# Altium PCB MyPCB.PcbDoc (part 2 of 2)
Units mil, origin at the board's own origin, x right, y up, seen from the top; angles counter-clockwise.
Board outline 3779.53 x 1968.5 mil, 2 copper layers (Top Layer, Bottom Layer); 73 components, 82 nets, 385 pads, 196 vias.
Unrouted connection lines stored in the file: 65.
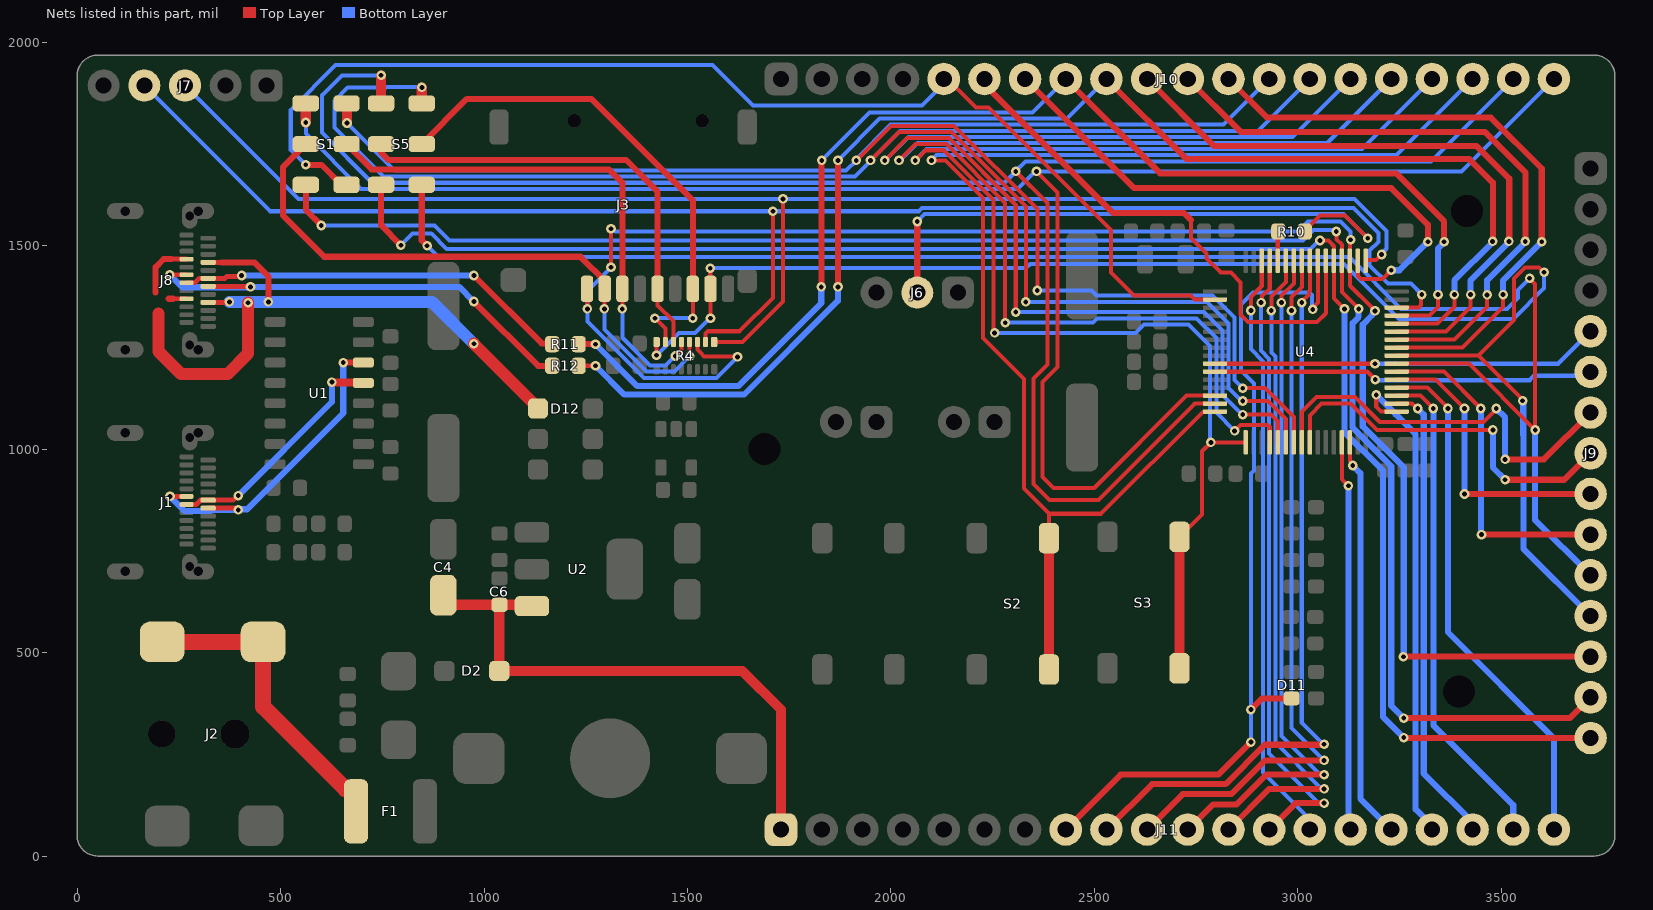
[diagram p2: the nets of this part, all layers, seen from the top]

## Via types
v1: diameter 23.62, hole 11.81, Top Layer to Bottom Layer, tented both sides, 196 vias

## Nets (pads, with @x,y where several pads share a name; then routed paths per layer and width w, separated by ;. In a path a pad name is that pad's centre, name@x,y a point inside that pad or via, vN(x,y) a via of type N, cw(c..) or ccw(c..) an arc to the next point about the centre after c; other vN are vias at no path point) (continued)
NetD11_C: D11.C J11.8 U4.55 | length 2098.1
  Top Layer w10: v1(3036.88,1343.72) 3036.88,1347.07 3050.03,1360.22 3050.03,1414.97 3049.53,1415.47 U4.55@3049.53,1463.23
  Top Layer w15: J11.8@2430,65 2565,200 2805,200 v1(2885,280) ; v1(2885,360) 2912.5,387.5 D11.C@2985,387.5
  Bottom Layer w10: v1(2885,280) v1(2885,360) 2885,939.83 2892.31,947.15 2892.31,1161.31 2860.19,1193.43 2860.19,1355.19 2890.19,1385.19 3028.95,1385.19 3034.81,1379.33 3034.81,1345.79 v1(3036.88,1343.72)
NetD12_A: D12.A J8.A4 J8.A9 J8.B4 J8.B9 | length 1820.4
  Top Layer w12: 232.17,1467.17 J8.B9@268.72,1467.17 ; 235.28,1369.72 J8.B4@268.72,1369.72 ; J8.A9@321.87,1360.87 v1@374.19,1360.87 ; J8.A4@321.87,1459.29 354.29,1459.29
  Top Layer w15: 192.52,1384.91 192.52,1447.52 212.17,1467.17 232.17,1467.17 ; 225,1369.72 235.28,1369.72 ; 354.29,1459.29 435.71,1459.29 470,1425 v1(470,1362) v1@470,1360
  Top Layer w30: 200,1333.85 200,1240 255,1185 370,1185 420,1235 v1(420,1360) ; v1(975,1259) 1122.5,1111.5 1122.5,1110 1131,1101.5 D12.A@1132.5,1101.5
  Bottom Layer w30: v1(374.19,1362) 417.02,1362 v1@419.02,1360 ; v1(420,1360) 420.98,1360 422.98,1362 v1(470,1362) 872,1362 v1(975,1259)
NetF1_1: F1.1 J2.1 | length 771.1
  Top Layer w40: J2.1@208.9,526.37 J2.1@456.93,526.37 456.93,367.07 660.26,163.74 680.83,163.74 685.35,159.21 F1.1@685.35,110
NetJ1_A6: J1.A6 J1.B6 U1.5 | length 588.7
  Top Layer w12: J1.B6@268.72,864.09 292.3,864.09 303.12,874.92 383.16,874.92 394.24,886 v1(396,886) ; U1.5@702.27,1164 U1.5@703.27,1163
  Top Layer w20: v1(626,1165) 626.69,1164.31 701.96,1164.31 U1.5@702.27,1164
  Bottom Layer w15: v1(396,886) 626,1116 v1(626,1165)
NetJ1_A7: J1.A7 J1.B7 U1.6 | length 831.7
  Top Layer w12: v1(228,884) 228.22,883.78 J1.B7@268.72,883.78 ; J1.A7@321.87,855.24 388.43,855.24 392.86,850.81 v1(396,850.81)
  Top Layer w15: v1(654,1213) U1.6@703.27,1213
  Bottom Layer w15: v1(228,884) 264,848 327.43,848 330.24,850.81 v1(396,850.81) ; v1@396,849 399.46,852.46 417.81,852.46 654,1088.65 v1(654,1213)
NetJ3_1: J3.1 J9.13 R4.11 U4.51 | length 4299.7
  Top Layer w10: v1(1254,1345) J3.1@1254,1393.48 ; v1(1312,1447.19) v1(1312,1542) ; R4.11@1524.53,1263.46 1524.53,1245.13 1531.6,1238.06 1531.6,1237.4 1541,1228 1622,1228 v1(1623,1227) ; v1(3130.07,1515.04) 3128.27,1513.24 3128.27,1401.82 3179.81,1350.28 3179.81,1350.19 v1(3190,1340)
  Top Layer w15: v1(3260,490) J9.13@3720,490
  Bottom Layer w10: v1(1254,1345) 1254,1314 1393,1175 1571,1175 v1(1623,1227) ; v1@1254,1346 1254,1389.19 v1(1312,1447.19) ; v1(1312,1542) 1315.69,1542 1322.69,1535 3000,1535 3025,1560 3105,1560 3130.07,1534.93 v1(3130.07,1515.04)
  Bottom Layer w15: v1(3190,1340) 3190,1337.67 3182.31,1329.98 3182.31,1328.69 3160,1306.38 3160,1056.28 3260.69,955.6 3260.69,490.69 v1(3260,490)
NetJ3_2: J3.2 R4.12 S1.2 | length 1474.1
  Top Layer w10: v1(1296,1345) J3.2@1296,1393.4 ; R4.12@1504.84,1263.46 1505.28,1263.02 1505.28,1229.29 v1(1505.73,1228.85)
  Top Layer w15: S1.2@562,1750 506,1694 506,1574 607,1473 1237,1473 J3.2@1300,1410 ; J3.2@1289.19,1401.59 J3.2@1296.69,1394.09
  Bottom Layer w10: v1(1296,1345) 1296,1294.21 1399.21,1191 1467.76,1191 1505.61,1228.85 v1(1505.73,1228.85)
NetJ3_3: J3.3 R4.13 S1.5 | length 1307.2
  Top Layer w10: v1(1340,1345) J3.3@1340,1394.09 ; v1(1470.72,1229.05) 1485.16,1243.48 R4.13@1485.16,1263.46
  Top Layer w15: S1.5@662,1750 724,1688 1307,1688 1340,1655 J3.3@1340,1394.09
  Bottom Layer w10: v1(1340,1345) 1340,1274 1408,1206 1446.55,1206 1469.6,1229.05 v1(1470.72,1229.05)
NetJ3_5: J3.5 R4.14 S5.2 | length 1175.2
  Top Layer w10: 1426.61,1441.61 1428.31,1439.92 1428.31,1395.79 J3.5@1426.61,1394.09 1426.61,1353.45 1465.47,1314.59 R4.14@1465.47,1263.46
  Top Layer w15: S5.2@747,1750 747,1729 765,1711 1349,1711 1426.61,1633.39 1426.61,1441.61 J3.5@1426.61,1394.09
NetJ3_7: J3.7 R4.15 S5.5 | length 1267.2
  Top Layer w10: v1(1420,1322) 1445.79,1296.21 R4.15@1445.79,1263.46 ; v1@1513.23,1322.23 J3.7@1513.23,1394.09
  Top Layer w15: S5.5@847,1750 958,1861 1264,1861 1513.23,1611.77 J3.7@1513.23,1394.09
  Bottom Layer w10: v1(1420,1322) v1(1513,1322)
NetJ3_8: J3.8 J9.12 R4.16 U4.40 | length 3776.6
  Top Layer w10: v1(1424,1230.81) v1(1424,1230.81) 1424.07,1263.4 R4.16@1424.13,1263.46 ; v1(1556,1445) 1556,1394.63 J3.8@1556.54,1394.09 v1@1556.54,1324.31 ; U4.40@3243.23,1230.16 3444.84,1230.16 ; v1(3553,1119) 3553,1122 3444.84,1230.16 ; v1(3605.69,1435) 3604.83,1435 3593.02,1446.81 3558.89,1446.81 3531.81,1419.73 3531.81,1317.13 3444.84,1230.16
  Bottom Layer w10: v1(1424,1230.81) 1479.19,1286 1518.22,1286 v1@1556.54,1324.31 ; v1(1556,1445) 2332.65,1445 2342.65,1455 3113.62,1455 3248.62,1320 3530,1320 3605.69,1395.69 v1(3605.69,1435)
  Bottom Layer w15: v1(3553,1119) 3554.49,1117.51 3554.49,1035.18 3555,1034.67 3555,755 J9.12@3720,590
  other v1: 1556.64,1322
NetJ6_2: J6.2 R10.1 | length 1509.8
  Top Layer w10: R10.1@3016.25,1536.25 3055,1575 3116.81,1575 3172.21,1519.59 v1(3172.21,1518.68)
  Top Layer w15: J6.2@2065,1385 v1(2065,1559.81)
  Bottom Layer w10: v1(2065,1559.81) 2082.95,1577.76 3113.13,1577.76 v1(3172.21,1518.68)
NetJ7_3: J7.3 R4.9 U4.49 | length 3672.6
  Top Layer w10: R4.9@1565.87,1263.46 1635.46,1263.46 1735,1363 v1(1735,1615.19) ; U4.49@3167.64,1463.23 3168.14,1463.73 3168.14,1465 3191.98,1465 3205.59,1478.61 v1(3206.39,1478.61)
  Bottom Layer w10: J7.3@265,1894 543.81,1615.19 v1(1735,1615.19) ; v1@1735,1615 3140,1615 3218.21,1536.79 3218.21,1492.76 3206.39,1480.94 v1(3206.39,1478.61)
NetJ7_4: J7.4 R4.10 U4.46 | length 3961.4
  Top Layer w10: R4.10@1544.21,1263.46 1544.21,1284.14 1550.07,1290 1628,1290 1710,1372 v1(1710,1585) ; U4.46@3243.23,1348.27 3297.81,1348.27 3303.67,1354.13 3303.67,1378.67 v1(3305,1380)
  Bottom Layer w10: J7.4@165,1894 474,1585 v1(1710,1585) 2068.98,1585 2076.74,1592.76 3137.24,1592.76 3198.21,1531.79 3198.21,1509.59 3177.08,1488.46 3177.08,1451.46 3221.62,1406.93 3278.07,1406.93 v1(3305,1380)
NetJ8_A6: J8.A6 J8.B6 R11.2 | length 976.1
  Top Layer w12: J8.B6@268.72,1409.09 289.09,1409.09 299.92,1419.92 363.17,1419.92 368.19,1424.94 401.94,1424.94 v1(404,1427)
  Top Layer w15: v1(975,1427) 1142,1260 1165.77,1260 R11.2@1167.5,1258.27
  Bottom Layer w15: v1(404,1427) v1(975,1427)
NetJ8_A7: J8.A7 J8.B7 R12.2 | length 1180
  Top Layer w12: v1(227.31,1429.04) 227.48,1428.87 268.63,1428.87 J8.B7@268.72,1428.78 ; J8.A7@321.87,1400.24 424.76,1400.24 v1(426,1399)
  Top Layer w15: v1(975,1363) 1133,1205 R12.2@1167.5,1205
  Bottom Layer w15: v1(227.31,1429.04) 258.35,1398 425,1398 v1(426,1399) 939,1399 v1(975,1363)
NetJ9_5: J9.5 U4.10 | length 956.1
  Top Layer w11: U4.10@2797.24,1210.47 2822.88,1210.47 3189.53,1210.47 v1(3190,1210)
  Bottom Layer w11: v1(3190,1210) 3640,1210 J9.5@3720,1290
NetJ9_6: J9.6 U4.11 | length 940.1
  Top Layer w11: U4.11@2796.77,1190.79 3171.05,1190.79 v1(3190.62,1171.21)
  Bottom Layer w11: v1(3190.62,1171.21) 3191.83,1170 3570,1170 3580,1180 3710,1180 J9.6@3720,1190
NetJ9_7: J9.7 U4.24 | length 997.7
  Top Layer w10: U4.24@3010.16,1016.77 3010.16,1092.16 3046,1128 3141,1128 3201.77,1067.23 3457.23,1067.23 v1@3488,1098
  Top Layer w15: v1(3510,975) 3605,975 J9.7@3720,1090
  Bottom Layer w15: v1(3488,1100) 3510,1078 v1(3510,975)
NetJ9_8: J9.8 U4.25 | length 927.4
  Top Layer w10: U4.25@3029.84,1016.77 3029.84,1083.24 3059.09,1112.49 3129.51,1112.49 3194.68,1047.32 v1(3480,1047.32)
  Top Layer w15: v1(3510,925) 3655,925 J9.8@3720,990
  Bottom Layer w15: v1(3480,1047.32) 3480,955 v1(3510,925)
NetJ9_9: J9.9 U4.37 | length 716.2
  Top Layer w10: U4.37@3243.23,1171.1 3338.9,1171.1 v1(3410,1100)
  Top Layer w15: v1(3410,890) J9.9@3720,890
  Bottom Layer w15: v1(3410,890) v1(3410,1100)
NetJ9_10: J9.10 U4.38 | length 823.2
  Top Layer w10: U4.38@3243.23,1190.79 3359.21,1190.79 v1(3450,1100)
  Top Layer w15: v1(3452,790) J9.10@3720,790
  Bottom Layer w15: v1(3450,1100) 3451,1099 3451,791 v1(3452,790)
NetJ9_11: J9.11 S5.4 U4.39 | length 4172.9
  Top Layer w10: U4.39@3243.23,1210.47 3420.65,1210.47 v1(3583.8,1047.32) 3583.8,1406.2 v1(3570,1420)
  Top Layer w15: S5.4@847,1650 847,1513.41 860,1500.41 v1(860,1500.31)
  Bottom Layer w10: v1(860,1500.31) 888.31,1472 3127.37,1472 3254.37,1345 3515,1345 3541.68,1371.68 3541.68,1391.68 v1(3570,1420)
  Bottom Layer w15: v1(3583.8,1047.32) 3583.29,1046.81 3583.29,826.71 J9.11@3720,690
NetJ9_14: J9.14 S1.3 U4.52 | length 4397.3
  Top Layer w10: v1(3094.81,1535.11) 3095.92,1533.99 3095.92,1515.3 3108.58,1502.63 U4.52@3108.58,1463.23 3108.58,1386.51 3139.81,1355.28 3139.81,1355.19 v1(3150,1345)
  Top Layer w15: S1.3@562,1650 562,1588 v1(600,1550) ; v1(3260.69,339) 3669,339 J9.14@3720,390
  Bottom Layer w10: v1(600,1550) 878.6,1550 915.6,1513 3012.91,1513 3038.45,1538.54 v1@3094.29,1538.54 ; v1@3092.2,1537.71 v1(3094.81,1535.11)
  Bottom Layer w15: v1(3150,1345) 3150,1324.66 3135,1309.66 3135,1053 3230,958 3230,369.69 v1(3260.69,339)
NetJ9_15: J9.15 S5.3 U4.53 | length 4242.9
  Top Layer w10: v1(3055,1512.98) 3055.45,1512.53 3075.26,1512.53 3088.9,1498.9 3088.9,1371.01 3114.91,1345 v1(3115,1345)
  Top Layer w15: S5.3@747,1650 747,1550.07 v1(795.57,1501.5) ; v1(3260.69,291) 3261.69,290 J9.15@3720,290
  Bottom Layer w10: v1(795.57,1501.5) 824.07,1530 870.32,1530 908.32,1492 3031,1492 3051.98,1512.98 v1(3055,1512.98)
  Bottom Layer w15: v1(3115,1345) 3115,1042 3210,947 3210,341.69 v1(3260.69,291)
NetJ10_5: J10.5 S1.4 U4.2 | length 2937
  Top Layer w10: J10.5@2130,1910 2139.84,1910 2209.84,1840 2240.09,1840 2541,1539.09 2541,1434 2597.12,1377.88 2737.12,1377.88 2747.05,1367.95 U4.2@2796.77,1367.95
  Top Layer w15: v1(562,1699) 600.5,1699 649.5,1650 S1.4@662,1650
  Bottom Layer w10: v1(562,1699) 525,1736 525,1834 635,1944 1562,1944 1661,1845 2077,1845 J10.5@2130,1898
NetJ10_6: J10.6 U4.54 | length 1311
  Top Layer w10: 2738,1563 2738,1519 2776,1481 2776,1469 2811,1434 2836,1434 2860,1410 2860,1330.93 2877.93,1313 3048,1313 3069.21,1334.21 U4.54@3069.21,1463.23
  Top Layer w15: J10.6@2230,1910 2230,1897 2546,1581 2720,1581 2738,1563
NetJ10_7: J10.7 U4.50 | length 1431.1
  Top Layer w10: U4.50@3147.95,1463.23 3147.95,1426.05 3156,1418 3208,1418 v1(3230,1440)
  Top Layer w15: J10.7@2330,1910 2598,1642 3230,1642 3320.19,1551.81 3320.19,1510.19 v1(3320,1510)
  Bottom Layer w15: v1(3230,1440) 3250,1440 v1(3320,1510)
NetJ10_8: J10.8 R11.1 U4.45 | length 3159.9
  Top Layer w10: U4.45@3243.23,1328.58 3323.58,1328.58 3345,1350 v1(3345,1380)
  Top Layer w11: v1@1273.73,1258.27 v1(1274,1258)
  Top Layer w15: R11.1@1232.5,1258.27 v1@1273.73,1258.27 ; v1(1829,1399) 1830,1400 v1(1830,1710) ; J10.8@2430,1910 2662,1678 3242,1678 3360,1560 v1(3360,1510)
  Bottom Layer w10: v1(1830,1710) 1947.69,1827.69 2347.69,1827.69 J10.8@2430,1910
  Bottom Layer w15: v1(1274,1258) 1377,1155 1625,1155 1829,1359 v1(1829,1399) ; v1(3345,1380) 3345,1493.55 3360,1508.55 v1(3360,1510)
NetJ10_9: J10.9 R12.1 U4.44 | length 3409.2
  Top Layer w10: U4.44@3243.23,1308.9 3343.9,1308.9 3385.18,1350.18 v1(3385.18,1380)
  Top Layer w11: R12.1@1232.5,1205 v1(1274,1205)
  Top Layer w15: v1(1870,1399) v1(1870,1710) ; J10.9@2530,1910 2727,1713 3422,1713 3480,1655 3480,1511.45 v1(3479.27,1510.73)
  Bottom Layer w10: v1(1870,1710) 1972.69,1812.69 2432.69,1812.69 J10.9@2530,1910
  Bottom Layer w15: v1(1274,1205) 1345,1134 1639,1134 1870,1365 v1(1870,1399) ; v1(3385.18,1380) 3385.18,1415.18 3479.27,1509.27 v1(3479.27,1510.73)
NetJ10_10: J10.10 U4.43 | length 1552.8
  Top Layer w10: U4.43@3243.23,1289.21 3364.21,1289.21 3425,1350 v1(3425,1380)
  Top Layer w15: J10.10@2630,1910 2795,1745 3440,1745 3520,1665 3520,1511.45 v1(3519.27,1510.73)
  Bottom Layer w15: v1(3425,1380) 3425,1415 3519.27,1509.27 v1(3519.27,1510.73)
NetJ10_11: J10.11 U4.42 | length 1550.9
  Top Layer w10: U4.42@3243.23,1269.53 3385.98,1269.53 3465.73,1349.27 v1(3465.73,1379.27)
  Top Layer w15: J10.11@2730,1910 2860,1780 3460,1780 3560.37,1679.63 3560.37,1511.82 v1(3559.27,1510.73)
  Bottom Layer w15: v1(3465.73,1379.27) 3465.73,1415.73 3559.27,1509.27 v1(3559.27,1510.73)
NetJ10_12: J10.12 U4.41 | length 1543.7
  Top Layer w10: U4.41@3243.23,1249.84 3404.84,1249.84 3505,1350 v1(3505,1380)
  Top Layer w15: J10.12@2830,1910 2925,1815 3475,1815 3600,1690 v1(3600,1510)
  Bottom Layer w15: v1(3505,1380) 3505,1415 v1(3600,1510)
NetJ10_13: J10.13 S1.6 U4.23 | length 4134.3
  Top Layer w10: v1(1915,1710) 2000,1795 2155,1795 2360,1590 v1(2360,1390) ; v1(2865,1150) 2920,1150 2990.47,1079.53 U4.23@2990.47,1016.77
  Top Layer w25: v1(663.21,1801.79) S1.6@663.21,1848.79
  Bottom Layer w10: v1(663.21,1801.79) 779.81,1685.19 1890.19,1685.19 v1(1915,1710) 1915,1713.69 1999.01,1797.69 2817.69,1797.69 J10.13@2930,1910 ; v1(2360,1390) 2493.67,1390 2505.79,1377.88 2790.73,1377.88 2845,1323.61 2845,1170 v1(2865,1150)
NetJ10_14: J10.14 S5.6 U4.22 | length 4513.5
  Top Layer w10: v1(1950.04,1709.96) 2020.09,1780 2148.79,1780 2331.81,1596.98 v1(2331.81,1362) ; v1(2865,1118.38) 2926.62,1118.38 2970.79,1074.21 U4.22@2970.79,1016.77
  Top Layer w25: S5.6@847,1850 847,1889.2 v1(847.27,1889.47)
  Bottom Layer w10: v1(847.27,1889.47) 846.53,1889.47 846,1890 760.43,1890 759.43,1889 665,1889 632,1856 632,1790.57 752.57,1670 1912.16,1670 1930.76,1688.6 1950.04,1707.88 v1(1950.04,1709.96) ; v1@1950.09,1710 2022.78,1782.69 2902.69,1782.69 J10.14@3030,1910 ; v1(2331.81,1362) 2777,1362 2830,1309 2830,1149.91 2861.53,1118.38 v1(2865,1118.38)
NetJ10_15: J10.15 U4.21 | length 2804
  Top Layer w10: v1(1985.09,1709.91) 2040.18,1765 2142.57,1765 2307,1600.57 v1(2307,1337) ; v1(2865,1085) 2934.14,1085 2951.1,1068.04 U4.21@2951.1,1016.77
  Bottom Layer w10: v1(1985.09,1709.91) 2042.87,1767.69 2987.69,1767.69 J10.15@3130,1910 ; v1(2307,1337) 2770,1337 2815,1292 2815,1133.29 2863.29,1085 v1(2865,1085)
NetJ10_16: J10.16 U4.20 | length 2846.8
  Top Layer w10: v1(2020.13,1709.87) 2060.26,1750 2136.36,1750 2281,1605.36 v1(2281,1311) ; v1(2845,1045) 2860,1060 2925.56,1060 2931.42,1054.14 U4.20@2931.42,1016.77
  Bottom Layer w10: v1(2020.13,1709.87) 2022.39,1709.87 2065.22,1752.69 3072.69,1752.69 J10.16@3230,1910 ; v1(2281,1311) 2496.76,1311 2507.02,1321.26 2751.74,1321.26 2800,1273 2800,1090 v1(2845,1045)
NetJ10_17: J10.17 S3.2 U4.17 | length 3404.1
  Top Layer w10: v1(2060,1710) 2084.81,1734.81 2130.34,1734.81 2252.39,1612.75 2252.39,1288.61 v1(2255,1286) ; S3.2@2709.58,784.42 2765,839.83 2765,995 v1(2786.77,1016.77) U4.17@2872.36,1016.77
  Top Layer w25: S3.2@2709.58,461.58 S3.2@2709.58,784.42
  Bottom Layer w10: v1(2060,1710) 2087.69,1737.69 3157.69,1737.69 J10.17@3330,1910 ; v1(2255,1286) 2601.79,1286 2622.05,1306.26 2731.74,1306.26 2784.81,1253.19 2784.81,1018.73 v1(2786.77,1016.77)
NetJ10_18: J10.18 S2.2 U4.16 | length 3315.8
  Top Layer w10: v1(2100,1710) 2133.93,1710 2227,1616.93 2227,1273 2326.89,1173.11 2326.89,903.11 2388.58,841.42 ; S2.2@2388.58,781.42 2388.58,841.42 ; U4.16@2796.77,1092.36 2796.27,1091.86 2766.86,1091.86 2516.42,841.42 2388.58,841.42
  Top Layer w25: S2.2@2388.58,458.58 S2.2@2388.58,781.42
  Bottom Layer w10: v1(2100,1710) 2112.69,1722.69 3242.69,1722.69 J10.18@3430,1910
NetJ10_19: J10.19 S5.1 U4.15 | length 4786.6
  Top Layer w10: v1(2307,1682.88) 2385,1604.88 2385,1208 2351,1174 2351,914 2390,875 2510,875 2747.05,1112.05 U4.15@2796.77,1112.05
  Top Layer w25: S5.1@747,1850 v1(747,1919)
  Bottom Layer w10: v1(747,1919) 651,1919 602,1870 602,1778.15 725.15,1655 2279,1655 2307,1683 2307,1683.78 2330.92,1707.69 3327.69,1707.69 J10.19@3530,1910
NetJ10_20: J10.20 S1.1 U4.14 | length 4627
  Top Layer w10: v1(2358,1682.88) 2410,1630.88 2410,1202 2373,1165 2373,932 2400,905 2500,905 2726.73,1131.73 U4.14@2796.77,1131.73
  Top Layer w25: v1(562,1803) S1.1@562,1850
  Bottom Layer w10: v1(562,1803) 562,1775.72 697.72,1640 2311.43,1640 2354.31,1682.88 3402.88,1682.88 J10.20@3630,1910
NetJ11_9: J11.9 U4.56 | length 1836.5
  Top Layer w10: v1(3010,1360.38) 3010,1362.93 3027.68,1380.61 3027.68,1387.68 3029.84,1389.84 U4.56@3029.84,1463.23
  Top Layer w15: J11.9@2530,65 2642,177 2823,177 2919.46,273.46 3063.46,273.46 v1(3065,275)
  Bottom Layer w10: v1(3010,1360.38) 3010,327.67 v1@3058.36,279.31
  Bottom Layer w15: v1@3062.67,275 v1(3065,275)
NetJ11_10: J11.10 U4.57 | length 1777.4
  Top Layer w10: v1(2984.81,1340.77) 2984.81,1373.81 3010.16,1399.16 U4.57@3010.16,1463.23
  Top Layer w15: J11.10@2630,65 2717,152 2837,152 2920,235 v1(3065,235)
  Bottom Layer w10: v1(2984.81,1340.77) 2984.81,1084.83 2985,1084.64 2985,315 v1(3065,235)
NetJ11_11: J11.11 U4.58 | length 1706.1
  Top Layer w10: v1(2960,1360.38) 2960.65,1361.03 2960.65,1377.65 2990.47,1407.47 U4.58@2990.47,1463.23
  Top Layer w15: J11.11@2730,65 2792,127 2850,127 2923,200 v1(3065,200)
  Bottom Layer w10: v1(2960,1360.38) 2960,295 v1@3053.35,201.65
  Bottom Layer w15: v1@3063.35,201.65 v1(3065,200)
NetJ11_12: J11.12 U4.59 | length 1634.8
  Top Layer w10: v1(2935.19,1340.77) 2935.19,1375.19 2970.79,1410.79 U4.59@2970.79,1463.23
  Top Layer w15: J11.12@2830,65 2930,165 v1(3065,165)
  Bottom Layer w10: v1(2935.19,1340.77) 2935.19,1238.16 2945,1228.35 2945,278.55 3052.86,170.69
  Bottom Layer w15: v1@3062.67,165 v1(3065,165)
NetJ11_13: J11.13 U4.61 | length 1562.7
  Top Layer w10: v1(2910,1360.38) 2912.15,1362.53 2912.15,1376.15 2931.42,1395.42 U4.61@2931.42,1463.23
  Top Layer w15: J11.13@2930,65 2995,130 v1(3065,130)
  Bottom Layer w10: v1(2910,1360.38) 2910,1242.13 2930,1222.13 2930,251.72 3050.07,131.65
  Bottom Layer w15: v1@3063.35,131.65 v1(3065,130)
NetJ11_14: J11.14 U4.62 | length 1444.4
  Top Layer w10: v1(2885,1341.01) 2885,1374 2911.73,1400.73 U4.62@2911.73,1463.23
  Bottom Layer w10: v1(2885,1341.01) 2885,1245.92 2915,1215.92 2915,205 J11.14@3017.56,102.44
  Bottom Layer w15: J11.14@3017.56,77.44 J11.14@3030,65
NetJ11_16: J11.16 U4.30 | length 993.9
  Top Layer w10: U4.30@3128.27,1016.77 3128.27,970.42 3135.39,963.29 v1(3135.39,960)
  Bottom Layer w15: v1(3135.39,960) 3154,941.39 3154,141 J11.16@3230,65
NetJ11_17: J11.17 U4.33 | length 1209.6
  Top Layer w10: v1(3193.12,1133.61) 3193.12,1104.47 3205.23,1092.36 U4.33@3243.23,1092.36
  Bottom Layer w15: v1(3193.12,1133.61) 3240.95,1085.78 3290,1036.73 3290,115 3330,75 J11.17@3330,65
NetJ11_18: J11.18 U4.34 | length 1147.7
  Top Layer w10: U4.34@3243.23,1112.05 U4.34@3243.23,1112.05 3281.23,1112 3293.23,1100 v1(3295,1100)
  Bottom Layer w15: v1(3295,1100) 3310,1085 3310,202.59 3430,82.59 J11.18@3430,65
NetJ11_19: J11.19 U4.35 | length 1219.8
  Top Layer w10: U4.35@3243.23,1131.73 3301.72,1131.73 v1(3333.45,1100)
  Bottom Layer w15: v1(3333.45,1100) 3333.45,321.55 3530,125 J11.19@3530,65
NetJ11_20: J11.20 U4.36 | length 1290
  Top Layer w10: U4.36@3243.23,1151.42 3318.58,1151.42 v1@3369.27,1100.73
  Bottom Layer w15: v1(3369.27,1100) 3369.27,550.73 3630,290 J11.20@3630,65
NetR10_2: R10.2 U4.60 | length 72.4
  Top Layer w11: U4.60@2951.1,1463.23 2951.1,1533.6 R10.2@2952.5,1535
PB10: J11.15 U4.29 | length 960.6
  Top Layer w10: U4.29@3108.58,1016.77 3108.58,926.11 v1(3124.69,910)
  Bottom Layer w15: v1(3124.69,910) 3124.69,70.31 J11.15@3130,65
Vin: C4.1 C6.2 D2.C J11.1 U2.3 | length 1418.4
  Top Layer w25: C4.1@900,641.1 923.6,617.5 C6.2@1038,617.5 ; U2.3@1117.83,614.45 1114.78,617.5 C6.2@1038,617.5 ; J11.1@1730,65 1730,360 1635,455 D2.C@1037.5,455 1037.5,617 C6.2@1038,617.5
pads on no net: J1.A2 J1.A3 J1.A5 J1.A8 J1.A10 J1.A11 J1.B2 J1.B3 J1.B5 J1.B8 J1.B10 J1.B11 J2. J3. J3.9 J8.A2 J8.A3 J8.A5 J8.A8 J8.A10 J8.A11 J8.B2 J8.B3 J8.B5 J8.B8 J8.B10 J8.B11 U1.9 U1.10 U1.11 U1.12 U1.13 U1.14 U1.15 U3.4

## Polygon pours and split planes (outlines as drawn)
GND on Bottom Layer "GND_L02_P004" (solid, pour order 4): 0,1918.5 cw(c50,1918.5) 50,1968.5 3729.53,1968.5 cw(c3729.53,1918.5) 3779.53,1918.5 3779.53,50 cw(c3729.53,50) 3729.53,0 50,0 cw(c50,50) 0,50
GND on Top Layer "GND_L01_P000" (solid, remove dead copper, pour order 0): 0,1918.5 cw(c50,1918.5) 50,1968.5 3729.53,1968.5 cw(c3729.53,1918.5) 3779.53,1918.5 3779.53,50 cw(c3729.53,50) 3729.53,0 50,0 cw(c50,50) 0,50

## Keep-outs
Keep-Out Layer:
  lines w5: 0,50 ccw(c50,50) 50,0 60,0 3729.53,0 ccw(c3729.53,50) 3779.53,50 3779.53,517.13 3779.53,1451.38 3779.53,1918.5 ccw(c3729.53,1918.5) 3729.53,1968.5 50,1968.5 ccw(c50,1918.5) 0,1918.5 0,50

## Other copper
Top Layer:
  region net +3.3: 1544,1184 1418,1184 1400,1166 1382,1184 1382,1217 1389,1217 1400,1228 1419,1209 1544,1209 1546,1207
  region net NetD12_A: 185,1335 185,1390 200,1390 212.88,1377.12 226.36,1377.12 226.36,1371.08 225,1369.72 225,1362.28 225.04,1362.24 215,1352.2 215,1334 200.15,1334 200,1333.85

## Silkscreen, mask and mechanical layers (free items; w line width, h text height)
Top Overlay:
  circle w3.94: c3416.38,1585.55 r78.74
  circle w3.94: c3396.69,404.45 r78.74
  circle w3.94: c1690,1000 r78.74
  region: 942,1850 917,1905 892,1850
  region: 892,1645 917,1590 942,1645
  lines w5: 2140,355 3119.41,355 ; 2460,356 2460,888.5 ; 2779.41,485 3119.41,485 ; 2779.41,625 3119.41,625 ; 2780,760 3120,760 ; 2780,300 2140,300 2140,890 2780,890 2780,300 ; 2780,300 3120,300 3120,888.5 2780,888.5 2780,300 ; 522,1540 1007,1540 1007,1945 522,1945 522,1540
  lines w10: 917,1630 917,1850
  text "SPI" at 991.33,1840 h60 r90
  text "5 V" at 1747.02,1730.37 h50 r90
  text "5 V" at 1847.02,1730.37 h50 r90
  text "GND" at 1947.02,1730.37 h50 r90
  text "GND" at 2047.02,1730.37 h50 r90
  text "PC13" at 2147.02,1730.37 h50 r90
  text "PD2" at 2247.62,1730.37 h50 r90
  text "PA15" at 2347.02,1730.37 h50 r90
  text "PA12" at 2447.62,1730.37 h50 r90
  text "PA11" at 2547.62,1730.37 h50 r90
  text "PA10" at 2647.02,1730.37 h50 r90
  text "PA9" at 2747.02,1730.37 h50 r90
  text "PA8" at 2847.02,1730.37 h50 r90
  text "PA7" at 2947.62,1730.37 h50 r90
  text "PA5" at 3147.02,1730.37 h50 r90
  text "PA4" at 3247.62,1730.37 h50 r90
  text "PA3" at 3347.02,1730.37 h50 r90
  text "PA2" at 3447.62,1730.37 h50 r90
  text "PA1" at 3547.62,1730.37 h50 r90
  text "PA0" at 3647.02,1730.37 h50 r90
  text "PA6" at 3047.02,1725.37 h50 r90
  text "RST" at 91.93,1705.54 h60 r90
  text "DIO" at 190.36,1705.54 h60 r90
  text "CLK" at 288.78,1705.54 h60 r90
  text "GND" at 386.42,1705.54 h60 r90
  text "3.3V" at 484.85,1705.54 h60 r90
  text "3.3 V" at 3537.62,1670.97 h50
  text "GND" at 3537.62,1570.97 h50
  text "SDIO" at 991.33,1565 h60 r90
  text "PC0" at 3537.62,1470.97 h50
  text "BOOT" at 2084.33,1470 h60 r90
  text "3.3V" at 2184.33,1470 h60 r90
  text "GND" at 1984.33,1465 h60 r90
  text "PC1" at 3537.62,1370.92 h50
  text "USB" at 425,1325 h60 r90
  text "PC2" at 3537.62,1270.92 h50
  text "PC3" at 3537.62,1170.97 h50
  text "VREF" at 1885,1138.14 h60 r90
  text "VBAT" at 2175,1138.14 h60 r90
  text "3.3V" at 1989.33,1138.08 h60 r90
  text "3.3V" at 2274.33,1138.08 h60 r90
  text "PC4" at 3537.62,1070.92 h50
  text "PC5" at 3537.62,970.97 h50
  text "PC6" at 3537.62,870.97 h50
  text "PB0" at 2801.73,805.67 h60
  text "RX" at 695,800 h60
  text "PC7" at 3537.62,770.92 h50
  text "UART" at 425,765 h60 r90
  text "TX" at 698,725 h60
  text "PB1" at 2801.73,680 h60
  text "PC8" at 3537.62,670.97 h50
  text "PC9" at 3537.62,570.97 h50
  text "PB2" at 2800,535 h60
  text "PC10" at 3537.62,470.97 h50
  text "PA3" at 2570,435.67 h60
  text "PA2" at 2255,435 h60
  text "PB3" at 2801.73,400.67 h60
  text "PC11" at 3537.62,370.92 h50
  text "RESET" at 1848.2,345 h60
  text "User Button" at 2360,310.67 h60
  text "User LED" at 2840,310.67 h60
  text "PC12" at 3537.62,270.92 h50
  text "POWER" at 624.89,269.76 h60 r90
  text "Vin" at 1747.62,135.37 h50 r90
  text "3.3 V" at 1847.02,135.37 h50 r90
  text "GND" at 1947.02,135.37 h50 r90
  text "GND" at 2047.02,135.37 h50 r90
  text "PB0" at 2147.02,135.37 h50 r90
  text "PB1" at 2247.62,135.37 h50 r90
  text "PB2" at 2347.62,135.37 h50 r90
  text "PB3" at 2447.02,135.37 h50 r90
  text "PB4" at 2547.62,135.37 h50 r90
  text "PB5" at 2647.02,135.37 h50 r90
  text "PB6" at 2747.02,135.37 h50 r90
  text "PB7" at 2847.62,135.37 h50 r90
  text "PB8" at 2947.02,135.37 h50 r90
  text "PB9" at 3047.02,135.37 h50 r90
  text "PB10" at 3147.02,135.37 h50 r90
  text "PB11" at 3247.62,135.37 h50 r90
  text "PB12" at 3347.62,135.37 h50 r90
  text "PB13" at 3447.02,135.37 h50 r90
  text "PB14" at 3547.62,135.37 h50 r90
  text "PB15" at 3647.02,135.37 h50 r90
Bottom Overlay:
  drawing of 124 lines, arcs and shapes, not listed
  text "5 V" at 1749.4,1840 h50 r90
  text "5 V" at 1849.4,1840 h50 r90
  text "GND" at 1949.4,1840 h50 r90
  text "GND" at 2049.4,1840 h50 r90
  text "PC13" at 2149.4,1840 h50 r90
  text "PD2" at 2250,1840 h50 r90
  text "PA15" at 2349.4,1840 h50 r90
  text "PA12" at 2450,1840 h50 r90
  text "PA11" at 2550,1840 h50 r90
  text "PA10" at 2649.4,1840 h50 r90
  text "PA9" at 2749.4,1840 h50 r90
  text "PA8" at 2849.4,1840 h50 r90
  text "PA7" at 2950,1840 h50 r90
  text "PA5" at 3149.4,1840 h50 r90
  text "PA4" at 3250,1840 h50 r90
  text "PA3" at 3349.4,1840 h50 r90
  text "PA2" at 3450,1840 h50 r90
  text "PA1" at 3550,1840 h50 r90
  text "PA0" at 3649.4,1840 h50 r90
  text "PA6" at 3049.4,1835 h50 r90
  text "3.3 V" at 3635,1670.6 h50
  text "GND" at 3635,1570.6 h50
  text "USB" at 163,1508 h60 r90
  text "PC0" at 3635,1470.6 h50
  text "PC1" at 3635,1370.55 h50
  text "PC2" at 3635,1270.55 h50
  text "PC3" at 3635,1170.6 h50
  text "PC4" at 3635,1070.55 h50
  text "UART" at 146,979 h60 r90
  text "PC5" at 3635,970.6 h50
  text "PC6" at 3635,870.6 h50
  text "PC7" at 3635,770.55 h50
  text "PC8" at 3635,670.6 h50
  text "PC9" at 3635,570.6 h50
  text "PC10" at 3635,470.6 h50
  text "PC11" at 3635,370.55 h50
  text "PC12" at 3635,270.55 h50
  text "Vin" at 1750,230 h50 r90
  text "3.3 V" at 1849.4,230 h50 r90
  text "GND" at 1949.4,230 h50 r90
  text "GND" at 2049.4,230 h50 r90
  text "PB0" at 2149.4,230 h50 r90
  text "PB1" at 2250,230 h50 r90
  text "PB2" at 2350,230 h50 r90
  text "PB3" at 2449.4,230 h50 r90
  text "PB4" at 2550,230 h50 r90
  text "PB5" at 2649.4,230 h50 r90
  text "PB6" at 2749.4,230 h50 r90
  text "PB7" at 2850,230 h50 r90
  text "PB8" at 2949.4,230 h50 r90
  text "PB9" at 3049.4,230 h50 r90
  text "PB10" at 3149.4,230 h50 r90
  text "PB11" at 3250,230 h50 r90
  text "PB12" at 3350,230 h50 r90
  text "PB13" at 3449.4,230 h50 r90
  text "PB14" at 3550,230 h50 r90
  text "PB15" at 3649.4,230 h50 r90